# Altium PCB NC1-1A-BASIS.PcbDoc (part 2 of 3)
Units mm, origin at the board's own origin, x right, y up, seen from the top; angles counter-clockwise.
Board outline 78 x 78 mm, 4 copper layers (Top Layer, Mid 1 (GND), Mid 2 (PWR), Bottom Layer), stack 1.586 mm thick; 269 components, 129 nets, 757 pads, 208 vias.
Unrouted connection lines stored in the file: 194.
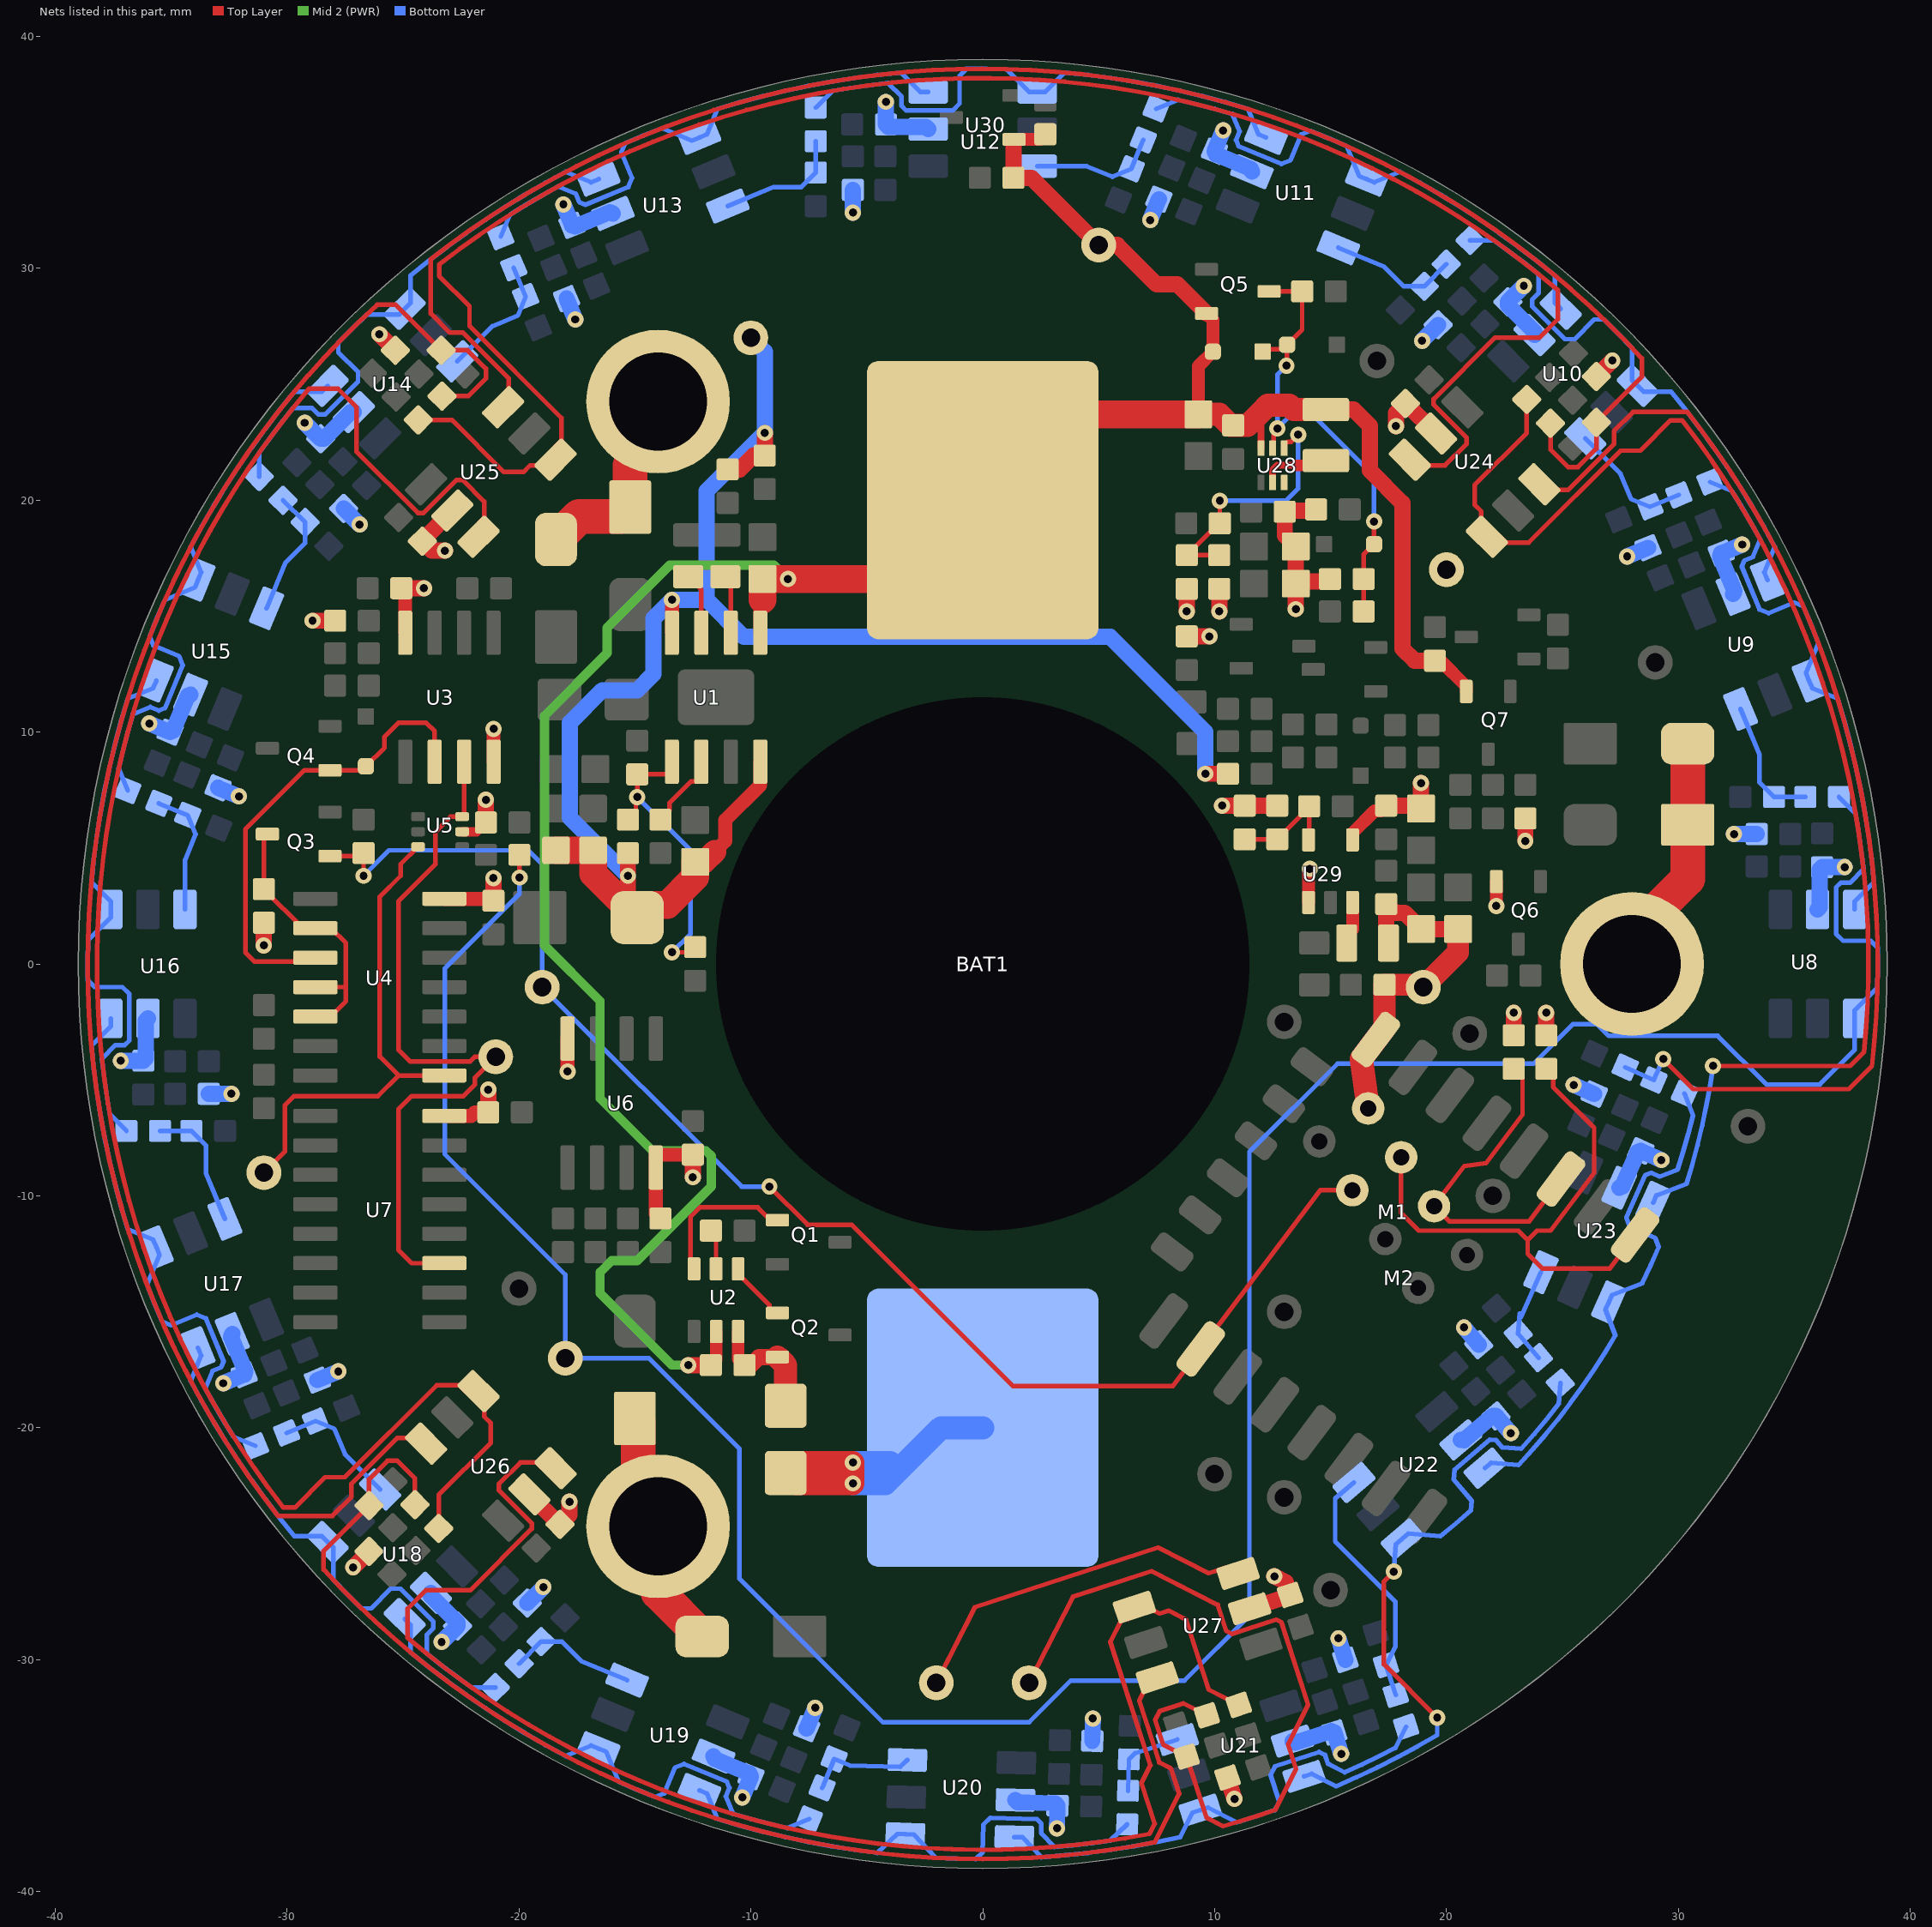
[diagram p4: the nets of this part, all layers, seen from the top]

## Part data
BAT1: "21700 Battery cell for FSCH nightcone project", Manufacturer=NONE, Part Number=BAT_21700_NightCone
C1 C2 C3 C56 C60 C61 C62 C65 C66: "CAP SM 0805 22uF 25V X5R", Absolute Value=2.2E-5, JLC Type=Basic, Manufacturer=GENERIC, Manufacturer Part Number 3=CL21A226MAQNNNE, Package=805, Part Number=22U/0805/25V/X5R, Supplier 3=LCSC, Supplier Part Number 3=C45783
C4 C70: "CAP SM 0603 100nF 50V X7R", Absolute Value=1E-7, JLC Type=Basic, Manufacturer=GENERIC, Manufacturer 1=YAGEO, Manufacturer Part Number 1=CC0603KPX7R9BB104, Manufacturer Part Number 2=CC0603MRX7R9BB104, Manufacturer Part Number 3=CC0603KRX7R9BB104, Package=603, Supplier Part Number 1=311-3567-1-ND, HelpURL=https://www.yageo.com/upload/media/product/app/datasheet/mlcc/upy-gphc_x7r_6_3v-to-250v.pdf, Manufacturer 2=YAGEO, Part Number=100N/0603/50V/X7R, Supplier 1=Digi-Key, Supplier 2=Digi-Key, Supplier 3=LCSC, Supplier Part Number 2=311-4110-1-ND, Supplier Part Number 3=C14663
C5 C6 C7 C8 C9 C10 C12 C13 C14 C15 C16 C17 C18 C19 C20 C21 C22 C23 C24 C25 C26 C27 C28 C29 C30 C31 C32 C33 C34 C35 C36 C37 C38 C39 C40 C41 C42 C43 C44 C45 C46 C47 C48 C49 C50 C51 C52 C53 C54 C57 C59 C63 C64 C67 C68 C69 C71: "CAP SM 0603 1.0uF 50V X5R", Absolute Value=1E-6, JLC Type=Basic, Manufacturer=GENERIC, Manufacturer Part Number 3=CL10A105KB8NNNC, Package=603, Part Number=1U/0603/50V/X5R, Supplier 3=LCSC, Supplier Part Number 3=C15849
C11 C55 C58: "CAP SM 0603 470pF 50V C0G", Absolute Value=4.7E-10, JLC Type=Extended, Manufacturer=GENERIC, Manufacturer 1=YAGEO, Manufacturer Part Number 1=CC0603JRNPO9BN471, Manufacturer Part Number 2=CC0603KRNPO9BN471, Manufacturer Part Number 3=GCM1885C1H471JA16D, Package=603, Supplier Part Number 1=311-1520-1-ND, HelpURL=https://www.yageo.com/upload/media/product/productsearch/datasheet/mlcc/UPY-GP_NP0_16V-to-50V_18.pdf, Manufacturer 2=YAGEO, Part Number=470P/0603/50V/C0G, Supplier 1=Digi-Key, Supplier 2=Digi-Key, Supplier 3=LCSC, Supplier Part Number 2=311-4038-1-ND, Supplier Part Number 3=C126566
D1 D2 D3 D7 D8 D9: "Si Shottky Diode 3A DO-214AC", JLC Type=Basic, Manufacturer=GENERIC, Manufacturer 3=MDD, Package="DO-214AC, SMA", HelpURL=https://datasheet.lcsc.com/lcsc/2303141100_MDD-Microdiode-Electronics--SS34_C8678.pdf, Manufacturer Part Number 3=SS34, Part Number=SS34, Supplier 3=LCSC, Supplier Part Number 3=C8678
D4: "10.5V 6.45V 5.8V SMB(DO-214AA) TVS", Absolute Value=6.8V, JLC Type=Basic, Manufacturer="Littelfuse Inc.", Manufacturer 3=Brightking, Manufacturer Part Number 3=P6SMB6.8CA/TR13, Package=DO-214AA, HelpURL=https://datasheet.lcsc.com/lcsc/1810181007_Brightking-P6SMB6-8CA-TR13_C78395.pdf, Part Number=P6SMB6.8CA, Supplier 3=LCSC, Supplier Part Number 3=C78395
D5 D6 D14 D15: library part "LED Green 0805", "Generic LED Green 0805", Absolute Value=Green, JLC Type=Basic, Manufacturer=GENERIC, Manufacturer 1=Würth, Manufacturer 3="Hubei KENTO Elec", Manufacturer Part Number 1=150080GS75000, Manufacturer Part Number 3=KT-0805G, Package=805, Supplier Part Number 1=732-4983-1-ND, HelpURL=https://www.we-online.com/katalog/datasheet/150060VS75000.pdf, Part Number="LED Green 0805", Supplier 1=Digi-Key, Supplier 3=LCSC, Supplier Part Number 3=C2297
D10 D11 D12 D13 D16: "40V 600mV@1A 1A SOD-323 Schottky Barrier Diodes (SBD) ROHS", Absolute Value=40V, JLC Type=Basic, Manufacturer=GENERIC, Manufacturer 3="Guangdong Hottech", Package=SOD323, HelpURL=https://datasheet.lcsc.com/lcsc/2204281430_Guangdong-Hottech-1N5819WS_C191023.pdf, Manufacturer Part Number 3=1N5819WS, Part Number=1N5819WS, Supplier 3=LCSC, Supplier Part Number 3=C191023
F1 F2: "Multifuse 1206 1.5A", Absolute Value=1.5, JLC Type=Extended, Manufacturer=GENERIC, Manufacturer 1=Bourns, Manufacturer Part Number 1=MF-NSMF150-2, Package=1206, Supplier Part Number 1=MF-NSMF150-2CT-ND, HelpURL=https://www.bourns.com/docs/product-datasheets/mf-nsmf.pdf?sfvrsn=39c76af6_20, Manufacturer 3=Bourns, Manufacturer Part Number 3=MF-NSMF150-2, Part Number=1.5A/1206/Fuse, Supplier 1=Digi-Key, Supplier 3=LCSC, Supplier Part Number 3=C89655
J1 J2 J3: "Solder Nut M3x0.5, 2mm", JLC Type=Extended, Manufacturer=GENERIC, Manufacturer 2=PEM, Manufacturer 3=Sinhoo, Manufacturer Part Number 2=SMTSO-M3-2ET, Manufacturer Part Number 3=SMTSO3020MTJ, Part Number="PEM M3, 2mm", Supplier 2=Mouser, Supplier 3=LCSC, Supplier Part Number 2=153-SMTSO-M3-2ET, Supplier Part Number 3=C2915633
L1: "1UH 2520 Shielded Inductor SMD", Absolute Value=1E-6, JLC Type=Extended, Manufacturer=GENERIC, Manufacturer 1="INPAQ Technology Co., Ltd", Manufacturer 3=INPAQ, Manufacturer Part Number 1=WIP252010S-1R0MLDG, Manufacturer Part Number 3=WIP252012P-1R0ML, Package="2520 metric", Supplier Part Number 1=3526-WIP252010S-1R0MLDGCT-ND, HelpURL=https://mm.digikey.com/Volume0/opasdata/d220001/medias/docus/5561/WIP252010S%20L%20Series.pdf, Part Number=1UH/2520, Supplier 1=Digi-Key, Supplier 3=LCSC, Supplier Part Number 3=C315711
L2: "2.2UH 2016 Shielded Inductor SMD", Absolute Value=2.2E-6, JLC Type=Extended, Manufacturer=GENERIC, Manufacturer 1="INPAQ Technology Co., Ltd", Manufacturer 3=INPAQ, Manufacturer Part Number 1=WIP201610S-2R2MLDG, Manufacturer Part Number 3=WIP201610P-2R2ML, Package="2016 metric", Supplier Part Number 1=3526-WIP201610S-2R2MLDGCT-ND, HelpURL=https://mm.digikey.com/Volume0/opasdata/d220001/medias/docus/5561/WIP201610S%20L%20Series.pdf, Part Number=2.2UH/2016, Supplier 1=Digi-Key, Supplier 3=LCSC, Supplier Part Number 3=C315717
M1: "ESP8266 based Module with 1MByte Storage", JLC Type=Extended, Manufacturer=AI-Thinker, Manufacturer 3=Ai-Thinker, Package=Board, HelpURL=https://www.microchip.ua/wireless/esp01.pdf, Manufacturer Part Number 3=ESP-01S, Part Number=ESP-01S, Supplier 3=LCSC, Supplier Part Number 3=C503582
M2: "ESP8266 based Module with 4MByte Storage", JLC Type=Extended, Manufacturer=AI-Thinker, Manufacturer 3=Ai-Thinker, Manufacturer Part Number 3=ESP-12F(ESP8266MOD), Package=Board, Part Number=ESP-12F, Supplier 3=LCSC, Supplier Part Number 3=C82891
Q1 Q2 Q3 Q8 Q9 Q10: "30V N-Channel MOSFET", JLC Type=Basic, Manufacturer="Alpha & Omega Semiconductor", Package=SOT23, HelpURL=https://aosmd.com/res/data_sheets/AO3400A.pdf, Manufacturer 3="Alpha & Omega Semiconductor", Manufacturer Part Number 3=AO3400A, Part Number=AO3400A, Supplier 3=LCSC, Supplier Part Number 3=C20917
Q4: "Switching Transistor PNP Silicon", JLC Type=Extended, Manufacturer="ON SEMI", Manufacturer 3=ONSEMI, Manufacturer Part Number 3=MMBT4403LT1G, Package=SOT23, HelpURL=https://www.onsemi.com/pdf/datasheet/mmbt4403lt1-d.pdf, Part Number=MMBT4403L, Supplier 3=LCSC, Supplier Part Number 3=C78864
Q5 Q6 Q7: "50V P-Channel MOSFET", JLC Type=Extended, Manufacturer=GENERIC, Manufacturer 1="Good-Ark Semiconductor", Manufacturer 3="Jiangsu Changjing Electronics Technology Co., Ltd.", Package=SOT23, Supplier Part Number 1=4786-BSS84CT-ND, HelpURL=https://goodarksemi.com/docs/datasheets/mosfets/BSS84.pdf, Manufacturer Part Number 1=BSS84, Manufacturer Part Number 3=BSS84, Part Number=BSS84, Supplier 1=Digi-Key, Supplier 3=LCSC, Supplier Part Number 3=C114481
R1 R2: "RES SM 0805 1R", Absolute Value=1, JLC Type=Basic, Manufacturer=GENERIC, Manufacturer 1=YAGEO, Manufacturer 3="UNI-ROYAL(Uniroyal Elec)", Manufacturer Part Number 1=RC0805FR-131RL, Manufacturer Part Number 2=RC0805FR-101RL, Manufacturer Part Number 3=0805W8F100KT5E, Package=805, Supplier Part Number 1=13-RC0805FR-131RLCT-ND, HelpURL=https://www.yageo.com/upload/media/product/productsearch/datasheet/rchip/PYu-RC_Group_51_RoHS_L_12.pdf, Manufacturer 2=YAGEO, Part Number=1R/0805, Supplier 1=Digi-Key, Supplier 2=Digi-Key, Supplier 3=LCSC, Supplier Part Number 2=13-RC0805FR-101RLCT-ND, Supplier Part Number 3=C25271
R3 R4 R18 R19 R20 R23 R26 R29 R32 R35 R38 R41 R44 R47 R50 R53 R56 R59 R62 R65 R68 R71 R74 R77 R88 R98: "RES SM 0603 270R", Absolute Value=270, JLC Type=Basic, Manufacturer=GENERIC, Manufacturer 1=YAGEO, Manufacturer 3="UNI-ROYAL(Uniroyal Elec)", Manufacturer Part Number 1=RC0603FR-13270RL, Manufacturer Part Number 2=RC0603FR-10270RL, Manufacturer Part Number 3=0603WAF2700T5E, Package=0603, Supplier Part Number 1=13-RC0603FR-13270RLCT-ND, HelpURL=https://www.yageo.com/upload/media/product/productsearch/datasheet/rchip/PYu-RC_Group_51_RoHS_L_12.pdf, Manufacturer 2=YAGEO, Part Number=270R/0603, Supplier 1=Digi-Key, Supplier 2=Digi-Key, Supplier 3=LCSC, Supplier Part Number 2=13-RC0603FR-10270RLCT-ND, Supplier Part Number 3=C22966
R5: "RES SM 0603 4K7", Absolute Value=4700, JLC Type=Basic, Manufacturer=GENERIC, Manufacturer 1=YAGEO, Manufacturer 3="UNI-ROYAL(Uniroyal Elec)", Manufacturer Part Number 1=RC0603FR-134K7L, Manufacturer Part Number 2=RC0603FR-104K7L, Manufacturer Part Number 3=0603WAF4701T5E, Package=0603, Supplier Part Number 1=13-RC0603FR-134K7LCT-ND, HelpURL=https://www.yageo.com/upload/media/product/app/datasheet/rchip/pyu-rc_group_51_rohs_l.pdf, Manufacturer 2=YAGEO, Part Number=4K7/0603, Supplier 1=Digi-Key, Supplier 2=Digi-Key, Supplier 3=LCSC, Supplier Part Number 2=13-RC0603FR-104K7LCT-ND, Supplier Part Number 3=C23162
R6: "RES NTC SM 0603 10K", Absolute Value=10000, JLC Type=Extended, Manufacturer=GENERIC, Manufacturer 1=Murata, Manufacturer 3=Sunlord, Manufacturer Part Number 1=NCU18XH103E60RB, Manufacturer Part Number 3=SDNT1608X103F3380FTF, Package=603, Supplier Part Number 1=490-18164-1-ND, HelpURL=https://www.murata.com/en-us/api/pdfdownloadapi?cate=luNTCforTempeSenso&partno=NCU18XH103E60RB, Part Number=10K/0603/NTC/3380K, Supplier 1=Digi-Key, Supplier 3=LCSC, Supplier Part Number 3=C316397
R7 R13 R15 R16 R80 R81 R82 R86 R91 R92 R93 R94 R95 R99: "RES SM 0603 100K", Absolute Value=100000, JLC Type=Basic, Manufacturer=GENERIC, Manufacturer 1=YAGEO, Manufacturer 3="UNI-ROYAL(Uniroyal Elec)", Manufacturer Part Number 1=RC0603FR-13100KL, Manufacturer Part Number 2=RC0603FR-10100KL, Manufacturer Part Number 3=0603WAF1003T5E, Package=0603, Supplier Part Number 1=13-RC0603FR-13100KLCT-ND, HelpURL=https://www.yageo.com/upload/media/product/productsearch/datasheet/rchip/PYu-RC_Group_51_RoHS_L_12.pdf, Manufacturer 2=YAGEO, Part Number=100K/0603, Supplier 1=Digi-Key, Supplier 2=Digi-Key, Supplier 3=LCSC, Supplier Part Number 2=13-RC0603FR-10100KLCT-ND, Supplier Part Number 3=C25803
R8 R9 R10 R11 R12 R17 R87: "RES SM 0603 1K5", Absolute Value=1500, JLC Type=Basic, Manufacturer=GENERIC, Manufacturer 1=YAGEO, Manufacturer 3="UNI-ROYAL(Uniroyal Elec)", Manufacturer Part Number 1=RC0603FR-131K5L, Manufacturer Part Number 2=RC0603FR-101K5L, Manufacturer Part Number 3=0603WAF1501T5E, Package=0603, Supplier Part Number 1=13-RC0603FR-131K5LCT-ND, HelpURL=https://www.yageo.com/upload/media/product/app/datasheet/rchip/pyu-rc_group_51_rohs_l.pdf, Manufacturer 2=YAGEO, Part Number=1K5/0603, Supplier 1=Digi-Key, Supplier 2=Digi-Key, Supplier 3=LCSC, Supplier Part Number 2=13-RC0603FR-101K5LCT-ND, Supplier Part Number 3=C22843
R14 R89: "RES SM 0603 20R", Absolute Value=20, JLC Type=Basic, Manufacturer=GENERIC, Manufacturer 1=YAGEO, Manufacturer 3="UNI-ROYAL(Uniroyal Elec)", Manufacturer Part Number 1=RC0603FR-1320RL, Manufacturer Part Number 2=RC0603FR-1020RL, Manufacturer Part Number 3=0603WAF200JT5E, Package=0603, Supplier Part Number 1=13-RC0603FR-1320RLCT-ND, HelpURL=https://www.yageo.com/upload/media/product/app/datasheet/rchip/pyu-rc_group_51_rohs_l.pdf, Manufacturer 2=YAGEO, Part Number=20R/0603, Supplier 1=Digi-Key, Supplier 2=Digi-Key, Supplier 3=LCSC, Supplier Part Number 2=13-RC0603FR-1020RLCT-ND, Supplier Part Number 3=C22950
R21 R22 R24 R25 R27 R28 R30 R31 R33 R34 R36 R37 R39 R40 R42 R43 R45 R46 R48 R49 R51 R52 R54 R55 R57 R58 R60 R61 R63 R64 R66 R67 R69 R70 R72 R73 R75 R76 R78 R79: "RES SM 0603 0R", Absolute Value=0, JLC Type=Basic, Manufacturer=GENERIC, Manufacturer 1=YAGEO, Manufacturer 3="UNI-ROYAL(Uniroyal Elec)", Manufacturer Part Number 1=RC0603FR-070RL, Manufacturer Part Number 2=RC0603FR-130RL, Manufacturer Part Number 3=0603WAF0000T5E, Package=0603, Supplier Part Number 1=311-0.0HRCT-ND, HelpURL=https://www.yageo.com/upload/media/product/app/datasheet/rchip/pyu-rc_group_51_rohs_l.pdf, Manufacturer 2=YAGEO, Part Number=0R/0603, Supplier 1=Digi-Key, Supplier 2=Digi-Key, Supplier 3=LCSC, Supplier Part Number 2=13-RC0603FR-130RLCT-ND, Supplier Part Number 3=C21189
R83: "RES SM 0603 13K", Absolute Value=13000, JLC Type=Basic, Manufacturer=GENERIC, Manufacturer 1=YAGEO, Manufacturer 3="UNI-ROYAL(Uniroyal Elec)", Manufacturer Part Number 1=RC0603FR-1313KL, Manufacturer Part Number 2=RC0603FR-1013KL, Manufacturer Part Number 3=0603WAF1302T5E, Package=0603, Supplier Part Number 1=13-RC0603FR-1313KLCT-ND, HelpURL=https://www.yageo.com/upload/media/product/productsearch/datasheet/rchip/PYu-RC_Group_51_RoHS_L_12.pdf, Manufacturer 2=YAGEO, Part Number=13K/0603, Supplier 1=Digi-Key, Supplier 2=Digi-Key, Supplier 3=LCSC, Supplier Part Number 2=13-RC0603FR-1013KLCT-ND, Supplier Part Number 3=C22797
R84 R85 R90 R97: "RES SM 0603 22K", Absolute Value=22000, JLC Type=Basic, Manufacturer=GENERIC, Manufacturer 1=YAGEO, Manufacturer 3="UNI-ROYAL(Uniroyal Elec)", Manufacturer Part Number 1=RC0603FR-1322KL, Manufacturer Part Number 2=RC0603FR-1022KL, Manufacturer Part Number 3=0603WAF2202T5E, Package=0603, Supplier Part Number 1=13-RC0603FR-1322KLCT-ND, HelpURL=https://www.yageo.com/upload/media/product/app/datasheet/rchip/pyu-rc_group_51_rohs_l.pdf, Manufacturer 2=YAGEO, Part Number=22K/0603, Supplier 1=Digi-Key, Supplier 2=Digi-Key, Supplier 3=LCSC, Supplier Part Number 2=13-RC0603FR-1022KLCT-ND, Supplier Part Number 3=C31850
R96: "RES SM 0603 10M", Absolute Value=10000000, JLC Type=Basic, Manufacturer=GENERIC, Manufacturer 1=YAGEO, Manufacturer 3="UNI-ROYAL(Uniroyal Elec)", Manufacturer Part Number 1=RC0603FR-1310ML, Manufacturer Part Number 2=RC0603FR-1010ML, Manufacturer Part Number 3=0603WAF1005T5E, Package=603, Supplier Part Number 1=13-RC0603FR-1310MLCT-ND, HelpURL=https://www.yageo.com/upload/media/product/productsearch/datasheet/rchip/PYu-RC_Group_51_RoHS_L_12.pdf, Manufacturer 2=YAGEO, Part Number=10M/0603, Supplier 1=Digi-Key, Supplier 2=Digi-Key, Supplier 3=LCSC, Supplier Part Number 2=13-RC0603FR-1010MLCT-ND, Supplier Part Number 3=C7250
TP1 TP2 TP3 TP4 TP5 TP6 TP7 TP8 TP9 TP10 TP11 TP12 TP13 TP14 TP15 TP16 TP17 TP18 TP19 TP20 TP21: "THT Test Point 1.5/0.8mm", Manufacturer=NONE, Part Number=TP_THD_1.5/0.8
U1: "1A Standalone Linear Li-lon Battery Charger with Thermal Regulation in SOP-8", JLC Type=Extended, Manufacturer=MSKSEMI, Package=SOP-8, HelpURL=https://datasheet.lcsc.com/lcsc/2308080947_MSKSEMI-TP4056-MS_C7473158.pdf, Manufacturer 3=MSKSEMI, Manufacturer Part Number 3=TP4056-MS, Part Number=TP4056-MS, Supplier 3=LCSC, Supplier Part Number 3=C7473158
U2: "Single Cell Lithium-ion battery protection IC", JLC Type=Extended, Manufacturer=PUOLOP, Package=SOT23-6, HelpURL=https://datasheet.lcsc.com/lcsc/1912111437_PUOLOP-DW01A_C351410.pdf, Manufacturer 3=PUOLOP, Manufacturer Part Number 3=DW01A, Part Number=DW01A, Supplier 3=LCSC, Supplier Part Number 3=C351410
U3 U6: "SOP-8 Timers / Clock Oscillators ROHS", JLC Type=Extended, Manufacturer=XINLUDA, Package=SOP8, HelpURL=https://datasheet.lcsc.com/lcsc/2212101330_XINLUDA-XL555_C521186.pdf, Manufacturer 3=XINLUDA, Manufacturer Part Number 3=XL555, Part Number=XL555, Supplier 3=LCSC, Supplier Part Number 3=C521186
U4: "Quad 2-input NAND", JLC Type=Extended, Manufacturer="Wuxi I-core Elec", Manufacturer Part Number 3=AIP74HC00SA.TB, Package=SOP-14, Manufacturer 3="Wuxi I-core Elec", Part Number=AIP74HC00, Supplier 3=LCSC, Supplier Part Number 3=C2943283
U5: "Single 2-input multiplexer", JLC Type=Extended, Manufacturer=Nexperia, Manufacturer Part Number 3=74LVC1G157GW,125, Package=SOT-363-6, Manufacturer 3=Nexperia, Part Number=74LVC1G157, Supplier 3=LCSC, Supplier Part Number 3=C135822
U7: "12-Stage binary ripple Counter", JLC Type=Extended, Manufacturer=HGSEMI, Manufacturer Part Number 3=CD4040BM/TR, Package=SOP-16, Manufacturer 3=HGSEMI, Part Number=CD4040BC, Supplier 3=LCSC, Supplier Part Number 3=C725347
U8 U9 U10 U11 U12 U13 U14 U15 U16 U17 U18 U19 U20 U21 U22 U23 U24 U25 U26 U27: "Intelligent control LED integrated light source with backup Pin", JLC Type=Extended, Manufacturer=WorldSemi, Package=SMD5050, HelpURL=https://datasheet.lcsc.com/lcsc/2012110135_Worldsemi-WS2813B-V5_C965558.pdf, Manufacturer 3=WorldSemi, Manufacturer Part Number 3=WS2813B-V5, Part Number=WS2813B-V5, Supplier 3=LCSC, Supplier Part Number 3=C965558
U28: "3.7-A Boost Converter with 0.5-V Ultra-low Input Voltage", JLC Type=Extended, Manufacturer="Texas Instruments", Package=SOT563, Supplier Part Number 1=296-TPS61023DRLRTR-ND, HelpURL=https://www.ti.com/lit/ds/symlink/tps61023.pdf, Manufacturer 1="Texas Instruments", Manufacturer 3="Texas Instruments", Manufacturer Part Number 1=TPS61023, Manufacturer Part Number 3=TPS61023, Part Number=TPS61023, Supplier 1=Digi-Key, Supplier 3=LCSC, Supplier Part Number 3=C919459
U29: "1.5A 2MHz 5.5V Synchronous Buck Converter", JLC Type=Extended, Manufacturer=Zetta, Manufacturer Part Number 3=ZD8028IB5TR, Package=SOT23-5, HelpURL=https://datasheet.lcsc.com/lcsc/2203221830_Zetta-ZD8028IB5TR_C2928932.pdf, Manufacturer 3=Zetta, Part Number=ZD8028C, Supplier 3=LCSC, Supplier Part Number 3=C2928932